# Altium PCB IT_Asset_Tracking_Rack_Controller-H743.PcbDoc (part 2 of 4) (continued)
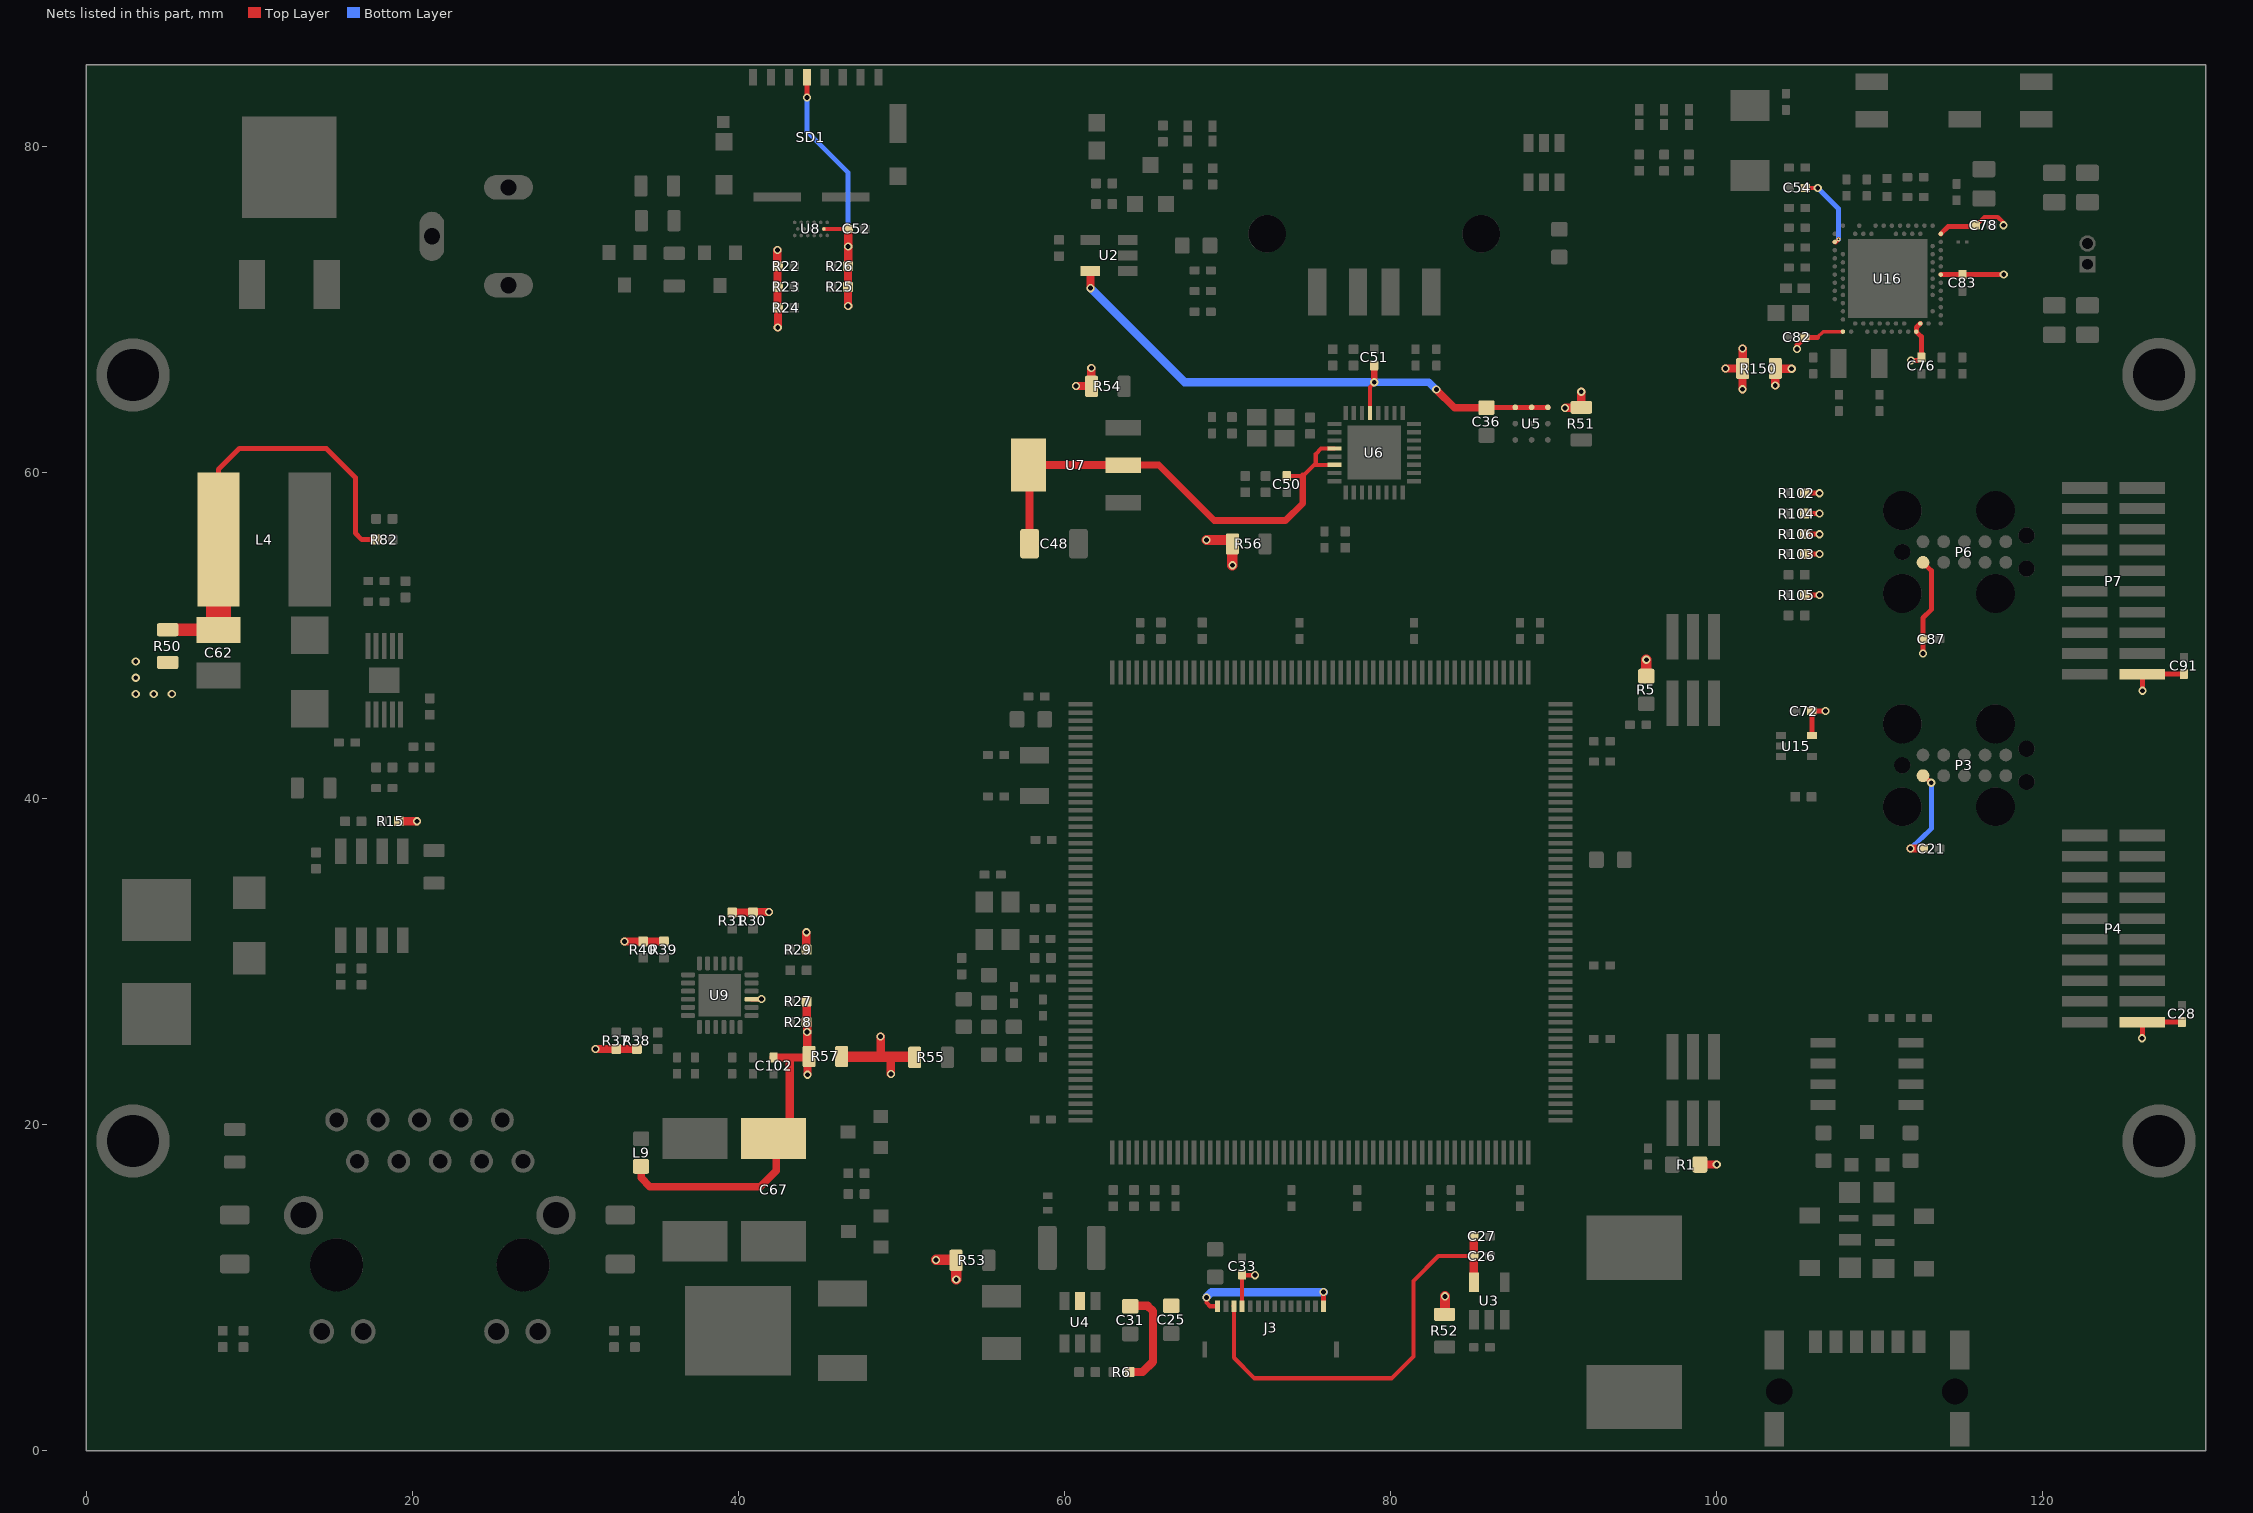
[diagram p4: the nets of this part, all layers, seen from the top]
## Part data (continued)
Q3: "N-Channel 60V 310mA (Ta) 280mW (Tj) Surface Mount SC-70-3 (SOT323)", Dielectric Grade=NA, Footprint/Package="SC-70, SOT-323", Manufacturer="ON Semiconductor", power=280mW, Supplier Part Number 1=2N7002WT1GOSCT-ND, voltage=60V, ComponentLink1Description=mouser, ComponentLink1URL=https://www.mouser.ch/ProductDetail/Murata-Electronics/GCM155C71A105KE38D?qs=sGAEpiMZZMsh%252b1woXyUXj0FEAttKcN54ouz5zO04smg%3d, Manufacturer PartNr=2N7002WT1G, Replaceable=no, Supplier 1=Digi-Key, Tolerance=NA
R1 R5: library part Res_DNP_0603, "Resistor: do not populate", Footprint/Package=0603, Manufacturer="do not populate", Manufacturer PartNr="do not populate", Replaceable=no
R2: library part Res_0R_0603, "0 Ohms Jumper 0.1W, 1/10W Chip Resistor 0603 (1608 Metric) Moisture Resistant Thick Film", Dielectric Grade=-, Footprint/Package="0603 (1608 metric)", Manufacturer=Yageo, Manufacturer PartNr=RC0603JR-070RL, power="0.1W, 1/10W", Supplier Part Number 1=311-0.0GRCT-ND, Replaceable=yes, Supplier 1=Digi-Key, Tolerance=-, voltage=-
R3 R4 R16 R20 R27 R28 R29 R30 R36 R42 R43 R84 R101 R102 R103 R104 R105 R106: library part Res_10K_0402, "SMD 10K ohm 1% 50V General Purpose", Footprint/Package=0402, Manufacturer=Yageo, Manufacturer PartNr=RC0402FR-1010KL, power=63mW, Supplier Part Number 1=603-RC0402FR-1010KL, Tolerance=1%, ComponentLink1Description=mouser, ComponentLink1URL=https://www.mouser.ch/ProductDetail/Yageo/RC0402FR-1010KL?qs=sGAEpiMZZMtlubZbdhIBIEgN9MQql2m6Sb2LnYlCICU%3d, Replaceable=yes, Supplier 1=Mouser, Supplier 2=Digi-Key
R6 R58: library part Res_1M_0402, "1 MOhms ±1% 0.1W, 1/10W Chip Resistor 0402 (1005 Metric) Anti-Sulfur Thin Film", Dielectric Grade=-, Footprint/Package="0402 (1005 metric)", Manufacturer="Vishay Beyschlag", Manufacturer PartNr=MCS04020C1004FE000, power="0.1W, 1/10W", Supplier Part Number 1=MCS0402-1.00M-CFCT-ND, Tolerance=±1%, Replaceable=yes, Supplier 1=Digi-Key
R7: library part Res_71K5_0402, "71.5 kOhms ±1% 0.1W, 1/10W Chip Resistor 0402 (1005 Metric) Automotive AEC-Q200, Moisture Resistant Thick Film", Case/Package="0402 (1005 metric)", Manufacturer="KOA Speer Elec.", Manufacturer PartNr=RK73H1ETTP7152F, power="0.01W,  1/10W", Supplier Part Number 1=2019-RK73H1ETTP7152FCT-ND, Tolerance=±1%, ComponentLink1Description=http://documents.rs-components.com/techlib://itc_doclist_GB.htm?stockno=7016664, ComponentLink1URL=http://documents.rs-components.com/techlib://itc_doclist_GB.htm?stockno=7016664, Replaceable=yes, Supplier 1=Digi-Key
R8: library part Res_3K3_0402, "3.3 kOhms ±0.1% 0.063W, 1/16W Chip Resistor 0402 (1005 Metric) Automotive AEC-Q200 Thin Film", Dielectric Grade=-, Footprint/Package="0402 (1005metric)", Manufacturer="Panasonic Electronic Components", Manufacturer PartNr=ERA-2AEB332X, power="0.063W, 1/16W", Supplier Part Number 1=P3.3KDCCT-ND, Tolerance=±0.1%, Replaceable=yes, Supplier 1=Digi-Key
R9: library part Res_620R_0402, "620Ohm, SMD 0402,  1/16W  0.5%", Footprint/Package="0402 (1005 metric)", Manufacturer=Susumu, Manufacturer PartNr=RR0510P-621-D, power=62.5mW, Supplier Part Number 1=754-RR0510P-621D, Tolerance=0.5%, ComponentLink1Description=mouser, ComponentLink1URL=https://www.mouser.ch/ProductDetail/Susumu/RR0510P-621-D?qs=sGAEpiMZZMu61qfTUdNhG%2fDhcyQpRg8MIBVoO7KVzPo%3d, Replaceable=yes, Supplier 1=Mouser, Supplier 2=Digi-Key, Supplier Part Number 2=RR05P620DDKR-ND
R10 R44 R45: library part Res_330R_0402, "330 Ohms ±0.1% 0.063W, 1/16W Chip Resistor 0402 (1005 Metric) Automotive AEC-Q200 Thin Film", Dielectric Grade=-, Footprint/Package="0402 (1005metric)", Manufacturer="Panasonic Electronic Components", Manufacturer PartNr=ERA-2AEB331X, power="0.063W, 1/16W", Supplier Part Number 1=P330DCCT-ND, Tolerance=±0.1%, Replaceable=yes, Supplier 1=Digi-Key
R11 R22 R23 R24 R25 R26: library part Res_47K_0402, "47 kOhms ±5% 0.063W, 1/16W Chip Resistor 0402 (1005 Metric) Automotive AEC-Q200, Moisture Resistant Thick Film", Footprint/Package="0402 (1005)", Manufacturer="TE Connectivity", Manufacturer PartNr=CRGCQ0402J47K, power=62.5mW, Supplier Part Number 1=A130058CT-ND, Tolerance=5%, ComponentLink1Description=mouser, ComponentLink1URL=https://www.mouser.ch/ProductDetail/Yageo/RC0402FR-07412KL?qs=sGAEpiMZZMu61qfTUdNhG6gKAQVNBKOozNOFQJr2tME%3d, Replaceable=yes, Suipplier 1=Digi-Key
R12: library part Res_22K_0402, "22 kOhms ±5%  0402 (1005 metrisch) Thick Film", Footprint/Package="0402 (1005 metric)", Manufacturer=Yageo, Manufacturer PartNr=RC0402JR-0722KL, power="0.063W, 1/16W", Supplier Part Number 1=311-22KJRCT-ND, Tolerance=5%, Replaceable=yes, Supplier 1=Digi-Key
R13 R32 R33 R34: library part Res_33R_0402, "33 Ohms ±0.1% 0.063W, 1/16W Chip Resistor 0402 (1005 Metric) Thin Film", Dielectric Grade=-, Footprint/Package="0402 (1005metric)", Manufacturer="TE Connectivity", Manufacturer PartNr=CPF0402B33RE1, power="0.063W, 1/16W", Supplier Part Number 1=A102801CT-ND, Tolerance=±0.1%, Replaceable=yes, Supplier 1=Digi-Key
R14: library part Res_820R_0402, "820 Ohms ±1% 0.1W, 1/10W 0402 Thick Film", Footprint/Package="0402 (1005 metric)", Manufacturer="Panasonic Electronic Components", Manufacturer PartNr=ERJ-2RKF8200X, power="0.1W, 1/10W", Supplier Part Number 1=P820LCT-ND, Tolerance=1%, Replaceable=yes, Supplier 1=Digi-Key
R15 R19 R59: library part Res_100K_0402, "100 kOhms ±0,1% 0,063W, 1/16W Chip-Widerstand 0402 (1005 metrisch) Dünnschicht", Footprint/Package="0402 (1005 metrisch)", Manufacturer=Yageo, Manufacturer PartNr=RT0402BRD07100KL, power="0,063W, 1/16W", Supplier Part Number 1=YAG1343CT-ND, Tolerance=±0.1%, Replaceable=yes, Supplier 1=Digi-Key
R17: library part Res_51R_0402, "51 Ohms ±5% 0.063W, 1/16W Chip Resistor 0402 (1005 Metric) , Thick Film", Footprint/Package="0402 (1005  metric)", Manufacturer=Yageo, Manufacturer PartNr=RC0402JR-0751RL, power=62.5mW, Supplier Part Number 1=1799298, Tolerance=5%, ComponentLink1Description=mouser, ComponentLink1URL=https://www.mouser.ch/ProductDetail/Yageo/RC0402JR-0751RL?qs=sGAEpiMZZMtG0KNrPCHnjTtiZEI2zSDg2UFCMmEjZXQ%3d, Replaceable=yes, Supplier 1=Farnell, Supplier 2=Mouser, Supplier 3=Digi-Key, Supplier Part Number 2=603-RC0402JR-0751RL, Supplier Part Number 3=311-51JRDKR-ND
R18: library part Res_4K7_0402, "4.7 kOhms ±5% 0.063W, 1/16W Chip Resistor 0402 (1005 Metric) Moisture Resistant Thick Film", Footprint/Package="0402 (1005)", Manufacturer=Yageo, Manufacturer PartNr=RC0402JR-074K7L, power="0.063W, 1/16W", Supplier Part Number 1=311-4.7KJRCT-ND, Tolerance=±5%, ComponentLink1Description=mouser, ComponentLink1URL=https://www.mouser.ch/ProductDetail/Yageo/RC0402FR-07412KL?qs=sGAEpiMZZMu61qfTUdNhG6gKAQVNBKOozNOFQJr2tME%3d, Replaceable=yes, Suipplier 1=Digi-Key
R21: library part Res_8K06_0402, "8.06 kOhms ±1% 0.063W, 1/16W Chip Resistor 0402 (1005 Metric) Moisture Resistant Thick Film", Footprint/Package="0402 (1005)", Manufacturer=Yageo, Manufacturer PartNr=311-8.06KLRCT-ND, power="0.063W, 1/16W", Supplier Part Number 1=RC0402FR-078K06L, Tolerance=±1%, ComponentLink1Description=mouser, ComponentLink1URL=https://www.mouser.ch/ProductDetail/Yageo/RC0402FR-07412KL?qs=sGAEpiMZZMu61qfTUdNhG6gKAQVNBKOozNOFQJr2tME%3d, Replaceable=yes, Suipplier 1=Digi-Key
R31: library part Res_1K5_0402, "1 kOhms ±0.5% 0.063W, 1/16W Chip Resistor 0402 (1005 Metric) Thin Film", Footprint/Package="0402 (1005 metric)", Manufacturer="TE Connectivity", Manufacturer PartNr=CRGCQ0402F1K5, power=1/16W, Supplier Part Number 1=A129629CT-ND, Tolerance=±1%, Replaceable=yes, Supplier 1=Digi-Key
R35 R47: library part Res_51R_0402_0.5%, "51 Ohms ±0.5% 0.063W, 1/16W Chip Resistor 0402 (1005 Metric) Thin Film", Footprint/Package="0402 (1005  metric)", Manufacturer=Susumu, Manufacturer PartNr=RR0510R-510-D, power=62.5mW, Supplier Part Number 1=RR05R51DCT-ND, Tolerance=±0.5%, ComponentLink1Description=mouser, ComponentLink1URL=https://www.mouser.ch/ProductDetail/Yageo/RC0402JR-0751RL?qs=sGAEpiMZZMtG0KNrPCHnjTtiZEI2zSDg2UFCMmEjZXQ%3d, Replaceable=yes, Supplier 1=Digi-Key
R37 R38 R39 R40: library part Res_49R9_0402, "49.9 Ohms ±0.1% 0.063W, 1/16W Chip Resistor 0402 (1005 Metric) Automotive AEC-Q200 Thin Film", Dielectric Grade=NA, Footprint/Package="0402 (1005 metric)", Manufacturer="Panasonic Electronic Components", Manufacturer PartNr=ERA-2AEB49R9X, power="0.063W, 1/16W", Supplier Part Number 1=P49.9DCCT-ND, Tolerance=±0.1%, Replaceable=yes, Supplier 1=Digi-Key, voltage=NA
R41: library part Res_12K1_0402, "12.1 kOhms ±1% 0.063W, 1/16W Chip Resistor 0402 (1005 Metric) Moisture Resistant Thick Film", Footprint/Package="0402 (1005 metric)", Manufacturer=Yageo, Manufacturer PartNr=RC0402FR-0712K1L, power=1/16W, Supplier Part Number 1=311-12.1KLRCT-ND, Tolerance=±1%, Replaceable=yes, Supplier 1=Digi-Key
R46 R85 R86: library part Res_0R_0805, "0 Ohms Jumper 0.125W, 1/8W Chip Resistor 0805 (2012 Metric) Automotive AEC-Q200 Thick Film", Footprint/Package="0805 (2012 metric)", Manufacturer="Panasonic Electronic Components", Manufacturer PartNr=ERJ-6GEY0R00V, power="0.125W, 1/8W", Supplier Part Number 1=P0.0ACT-ND, Tolerance=-, Replaceable=yes, Supplier 1=Digi-Key
R48: library part Res_0R1, "100 mOhms ±1% 5W Chip Resistor 4527 J-Lead Anti-Sulfur, Automotive AEC-Q200, Current Sense, Moisture Resistant", Footprint/Package="4527 (11570 metric)", Manufacturer="Vishay / Dale", Manufacturer PartNr=WSR5R1000FEA, power=5W, Supplier Part Number 1=WSRC-.1CT-ND, Tolerance=±1%, Replaceable=no, Supplier 1=Digi-Key
R49 R50 R51 R52 R53 R54 R55 R56 R57 R150: library part Res_DNP_0805, "Resistor: do not populate", Footprint/Package=0805, Manufacturer="do not populate", Manufacturer PartNr="do not populate", Replaceable=no
R60 R61 R62: library part Res_1K2_0402, "1.2 kOhms ±0.5% 0.063W, 1/16W Chip Resistor 0402 (1005 Metric) Thin Film", Dielectric Grade=-, Footprint/Package="0402 (1005 metric)", Manufacturer=Panasonic, Manufacturer PartNr=ERA-2AED122X, power="0.063W, 1/16W", Supplier Part Number 1=P1.2KDECT-ND, Tolerance=±0.5%, voltage=50V, Replaceable=yes, Supplier 1=Digi-Key
R74: library part Res_95K3_0402, "95.3 kOhms ±0.1% 0.063W, 1/16W Chip Resistor 0402 (1005 Metric) Automotive AEC-Q200 Thin Film", Footprint/Package="0402 (1005 metric)", Manufacturer=Panasonic, Manufacturer PartNr=ERA-2AEB9532X, power=63mW, Supplier Part Number 1=P95.3KDCCT-ND, Tolerance=0.1%, Replaceable=no, Supplier 1=Digi-Key, Supplier 2=Mouser, Supplier Part Number 2=667-ERA-2AEB9532X
R75: library part Res_357R_0402, "357 Ohms ±1% 0.063W, 1/16W Chip Resistor 0402 (1005 Metric) Thick Film", Footprint/Package="0402 (1005 metric)", Manufacturer=Bourns, Manufacturer PartNr=CR0402-FX-3570GLF, power=0.063W, Supplier Part Number 1=CR0402-FX-3570GLF-ND, Tolerance=±1%, ComponentLink1Description=http://www.bourns.com/docs/Product-Datasheets/CR0402.pdf, ComponentLink1URL=http://www.bourns.com/docs/Product-Datasheets/CR0402.pdf, ComponentLink2Description=http://www.bourns.com/pdfs/CR0402.pdf, ComponentLink2URL=http://www.bourns.com/pdfs/CR0402.pdf, ComponentLink3Description=http://www.mouser.com/ds/2/54/r0402-777514.pdf, ComponentLink3URL=http://www.mouser.com/ds/2/54/r0402-777514.pdf, Replaceable=yes, Supplier 1=Digi-Key, Supplier 2=Mouser, Supplier Part Number 2=652-CR0402-FX3570GLF
R76: library part Res_24K9_0402, "24.9 kOhms ±1% 0.1W, 1/10W Chip Resistor 0402 (1005 Metric) Thick Film", Footprint/Package="0402 (1005 metric)", Manufacturer=Panasonic, Manufacturer PartNr=ERJ-2RKF2492X, power=0.1W, Supplier Part Number 1=P24.9KLCT-ND, Tolerance=±1%, ComponentLink1Description=https://industrial.panasonic.com/cdbs/www-data/pdf/RDA0000/DMA0000COL11.pdf, ComponentLink1URL=https://industrial.panasonic.com/cdbs/www-data/pdf/RDA0000/DMA0000COL11.pdf, ComponentLink2Description=http://www.farnell.com/datasheets/426256.pdf, ComponentLink2URL=http://www.farnell.com/datasheets/426256.pdf, Replaceable=yes, Supplier 1=Digi-Key, Supplier 2=Mouser, Supplier Part Number 2=667-ERJ-2RKF2492X
R78: library part Res_105K_0402, "105 kOhms ±1% 0.1W, 1/10W Chip Resistor 0402 (1005 Metric) Automotive AEC-Q200 Thick Film", Footprint/Package="0402 (1005 metric)", Manufacturer=Panasonic, Manufacturer PartNr=ERJ-2RKF1053X, power="0.1W, 1/10W", Supplier Part Number 1=P105KLCT-ND, Tolerance=±1%, ComponentLink1Description=http://www.alliedelec.com/m/d/623f45ff1957d936ff56d46fd1c28cac.pdf, ComponentLink1URL=http://www.alliedelec.com/m/d/623f45ff1957d936ff56d46fd1c28cac.pdf, ComponentLink2Description=http://industrial.panasonic.com/www-data/pdf/AOA0000/AOA0000CE2.pdf, ComponentLink2URL=http://industrial.panasonic.com/www-data/pdf/AOA0000/AOA0000CE2.pdf, ComponentLink3Description=http://www.farnell.com/datasheets/1694929.pdf, ComponentLink3URL=http://www.farnell.com/datasheets/1694929.pdf, ComponentLink4Description=http://www.farnell.com/datasheets/1911175.pdf, ComponentLink4URL=http://www.farnell.com/datasheets/1911175.pdf, ComponentLink5Description=http://www.farnell.com/datasheets/1678782.pdf, ComponentLink5URL=http://www.farnell.com/datasheets/1678782.pdf, Replaceable=yes, Supplier 1=Digi-Key
R80: library part Res_7K15_0402, "7.15 kOhms ±0.1% 0.063W, 1/16W Chip Resistor 0402 (1005 Metric) Anti-Sulfur, Automotive AEC-Q200 Thin Film", Case/Package="0402 (1005 metric)", Manufacturer="TE Connectivity", Manufacturer PartNr=RQ73C1E7K15BTD, power="0.063W, 1/16W", Supplier Part Number 1=A139461CT-ND, Tolerance=±0.1%, ComponentLink1Description=http://documents.rs-components.com/techlib://itc_doclist_GB.htm?stockno=7016664, ComponentLink1URL=http://documents.rs-components.com/techlib://itc_doclist_GB.htm?stockno=7016664, Replaceable=yes, Supplier 1=Digi-Key
R81: library part Res_249K_0402_50V, "249 kOhms ±1% 0.063W, 1/16W Chip Resistor 0402 (1005 Metric) Automotive AEC-Q200 Thick Film", Case/Package="0402 (1005 metric)", Manufacturer="Vishay Dale", Manufacturer PartNr=CRCW0402249KFKED, power="0.063W, 1/16W", Supplier Part Number 1=541-249KLCT-ND, Tolerance=±1%, voltage=50V, ComponentLink1Description=http://www.vishay.com/docs/20008/dcrcw.pdf, ComponentLink1URL=http://www.vishay.com/docs/20008/dcrcw.pdf, Replaceable=yes, Supplier 1=Digi-Key
R82: library part "Res_31K6_ 0402", "31.6 kOhms ±0.1% 0.063W, 1/16W Chip Resistor 0402 (1005 Metric) Automotive AEC-Q200 Thin Film", Dielectric Grade=NA, Footprint/Package="0402 (1005 metric)", Manufacturer=Panasonic, Manufacturer PartNr=ERA-2AEB3162X, power="0.063W, 1/16W", Supplier Part Number 1=P31.6KDCCT-ND, Tolerance=0.1%, Replaceable=yes, Supplier 1=Digi-Key, voltage=NA
R83: library part Res_33K2_0402, "33.2 kOhms ±0.1% 0.063W, 1/16W Chip Resistor 0402 (1005 Metric) Thin Film", Dielectric Grade=NA, Footprint/Package="0402 (1005metric)", Manufacturer="TE Connectivity", Manufacturer PartNr=CPF0402B33K2E1, power="0.063W, 1/16W", Supplier Part Number 1=A102800CT-ND, Tolerance=0.1%, ComponentLink1Description=http://www.mouser.com/ds/2/418/NG_CD_1879215_BA-661209.pdf, ComponentLink1URL=http://www.mouser.com/ds/2/418/NG_CD_1879215_BA-661209.pdf, ComponentLink2Description=http://www.farnell.com/datasheets/1786775.pdf, ComponentLink2URL=http://www.farnell.com/datasheets/1786775.pdf, ComponentLink3Description=http://uk.rs-online.com/webdocs/0de4/0900766b80de4f6c.pdf, ComponentLink3URL=http://uk.rs-online.com/webdocs/0de4/0900766b80de4f6c.pdf, Replaceable=yes, Supplier 1=Digi-Key
R87: library part Res_1K_0402, "1 kOhms ±0.5% 0.063W, 1/16W Chip Resistor 0402 (1005 Metric) Thin Film", Footprint/Package="0402 (1005 metric)", Manufacturer=Susumu, Manufacturer PartNr=RR0510P-102-D, power=1/16W, Supplier Part Number 1=RR05P1.0KDCT-ND, Tolerance=±0.5%, Replaceable=yes, Supplier 1=Digi-Key
R95 R97: library part Res_10R_0603, "SMD 1/4watt 10ohms 1%", Footprint/Package="0603 (1608 metric)", Manufacturer=Vishay, Manufacturer PartNr=CRCW060310R0FKEAHP, power=250mW, Supplier Part Number 1=541-10.0SCT-ND, Tolerance=1%, Replaceable=yes, Supplier 1=Digi-Key, Supplier 2=Mouser, Supplier Part Number 2=CRCW060310R0FKEAHP
R98: library part Res_1M_0805, "PANASONIC ELECTRONIC COMPONENTS   ERA6AEB105V   Surface Mount Chip Resistor, Thin Film, AEC-Q200 ERA Series, 1 Mohm, 125 mW,  0.1%, 100 V", Footprint/Package="0805 (2012 metric)", Manufacturer=Panasonic, Manufacturer PartNr=ERA-6AEB105V, power=125mW, Supplier Part Number 1=P1MDATR-ND, Tolerance=1%, voltage=100V, ComponentLink1Description=http://uk.rs-online.com/webdocs/0bee/0900766b80beefcc.pdf, ComponentLink1URL=http://uk.rs-online.com/webdocs/0bee/0900766b80beefcc.pdf, ComponentLink2Description=http://www.farnell.com/datasheets/485442.pdf, ComponentLink2URL=http://www.farnell.com/datasheets/485442.pdf, ComponentLink3Description=https://industrial.panasonic.com/cdbs/www-data/pdf/RDM0000/AOA0000C307.pdf, ComponentLink3URL=https://industrial.panasonic.com/cdbs/www-data/pdf/RDM0000/AOA0000C307.pdf, ComponentLink4Description=http://www.farnell.com/datasheets/2052875.pdf, ComponentLink4URL=http://www.farnell.com/datasheets/2052875.pdf, ComponentLink5Description=http://industrial.panasonic.com/www-data/pdf/AOA0000/AOA0000CE26.pdf, ComponentLink5URL=http://industrial.panasonic.com/www-data/pdf/AOA0000/AOA0000CE26.pdf, ComponentLink6Description=http://www.alliedelec.com/m/d/b6b0537e86f421aa7f5975bb1d8f429a.pdf, ComponentLink6URL=http://www.alliedelec.com/m/d/b6b0537e86f421aa7f5975bb1d8f429a.pdf, ComponentLink7Description=http://www.produktinfo.conrad.com/datenblaetter/450000-474999/458432-da-01-en-WIDERSTAND_0805_ERA.pdf, ComponentLink7URL=http://www.produktinfo.conrad.com/datenblaetter/450000-474999/458432-da-01-en-WIDERSTAND_0805_ERA.pdf, Supplier 1=Digi-Key
R99: library part Res_100K_0805, "100 kOhms ±0.1% 0.125W, 1/8W Chip Resistor 0805 (2012 Metric) Automotive AEC-Q200 Thin Film", Footprint/Package="0805 (2012 metric)", Manufacturer="Panasonic Electronic Components", Manufacturer PartNr=ERA-6AEB104V, power="0.125W, 1/8W", Supplier Part Number 1=P100KDACT-ND, Tolerance=±0.1%, Replaceable=yes, Supplier 1=Digi-Key
R100 R107: library part Res_0R_0402, "0 Ohms Resistor 0402", Footprint/Package="0402 (1005 metric)", Manufacturer="Panasonic Electronic Components", Manufacturer PartNr=ERJ-2GE0R00X, power=100mW, Supplier Part Number 1=P0.0JCT-ND, Tolerance=-, Replaceable=yes, Supplier 1=Digi-Key
SD1: library part CONN_MICRO_SD, "Memory Card Connectors 1.45H MICRO SD HEADER WITH D/C PIN, Molex", Dielectric Grade=-, Manufacturer="Molex, LLC", Supplier Part Number 1=WM14405CT-ND, Manufacturer PartNr=1051620001, power=-, Replaceable=no, Supplier 1=Digi-Key, voltage=-
SYMBOL_But SYMBOL_Top: library part SYMBOL_R&M, Footprint/Package=2.54mm, Replaceable=no
T1: library part BJT_NPN_20V, "Bipolar (BJT) Transistor NPN 20V 500mA 150MHz 200mW Surface Mount Mini3-G3-B-B", Footprint/Package="TO-236-3, SC-59, SOT-23-3", Manufacturer="Panasonic Electronic Components", Supplier Part Number 1=DSC2501R0LCT-ND, voltage=20V, Manufacturer PartNr=DSC2501R0L, Replaceable=no, Supplier 1=Digi-Key
T3: library part CONN_RJ45_PoE, "Magjack Connector WE-RJ45 (PoE) with LAN Transformer, 10/100 Base-T1 Port RJ45, 10/100 Base-T, AutoMDIX, two LEDs", Dielectric Grade=NA, Manufacturer PartNr=7499211121A, power="PoE (up to 350 mA)", Supplier Part Number 1=732-1654-ND, ComponentLink1Description=Manufacturer, ComponentLink1URL=http://www.we-online.de, ComponentLink2Description=Datasheet, ComponentLink2URL=http://katalog.we-online.de/pbs/datasheet/7499211121A.pdf, Manaufacturer="Wurth Elektronik", Replaceable=no, Supplier 1=Digi-Key, Tolerance=NA, voltage=NA
TVS1: library part Bourns_TBU-PL060-200-WH, "TBU-PL Series dual 50 ohm Surge Suppressors, bi-directional", Dielectric Grade=NA, Footprint/Package=DFN, Manufacturer=Bourns, Manufacturer PartNr=TBU-PL060-200-WH, Supplier Part Number 1=652-TBU-PL060-200-WH, voltage=350V, power=NA, Replaceable=no, Supplier 1=Mouser
U1: library part STM32H7x3BIT, "ARM Cortex-M7 STM32H7 Mikrocontroller IC 32-Bit 480MHz 2MB (2M x 8) FLASH 208-LQFP (28x28)", Dielectric Grade=-, Footprint/Package="208-LQFP (28x28)", Manufacturer=STMicroelectronics, Supplier Part Number 1=497-18562-ND, voltage=1,62V-3.6V, Manufacturer PartNr=STM32H743BIT6, power=-, Replaceable=no, Supplier 1=Digi-Key, Tolerance=-, Type=Type
U2: "Power Switch/Driver 1:1 N-Kanal 500mA SOT-23-5,  STMicroelectronics", Dielectric Grade=-, Footprint/Package="SC-74A, SOT-753", Manufacturer=STMicroelectronics, Supplier Part Number 1=497-6934-1-ND, voltage="2,7V ~ 5,5V", Manufacturer PartNr=STMPS2151STR, Replaceable=no, Suppplier 1=Digi-Key
U3: "Linear Voltage Regulator IC 1 Output 200mA fixed output at 2.2V, SOT-23-5", Dielectric Grade=-, Footprint/Package=SOT-23-5, Manufacturer="Texas Instruments", Supplier Part Number 1=296-TPS7A0522PDBVTCT-ND, voltage=2,2V, ComponentLink1Description=mouser, ComponentLink1URL=https://www.mouser.ch/ProductDetail/Texas-Instruments/TPS54260DGQR?qs=sGAEpiMZZMvAX9OfPh%252b2NVVXPcZYNNxJ6f9D0IR5ghU%3d, Manufacturer PartNr=TPS7A0522PDBVT, power=-, Replaceable=no, Supplier 1=Digi-Key, Tolerance=-
U4: "Boost Switching Regulator IC Positive Adjustable 3.3V 1 Output SOT-23-6", Dielectric Grade=-, Footprint/Package=SOT-23-6, Manufacturer="Texas Instruments", Supplier Part Number 1=296-46927-1-ND, voltage=3.3V-28V, ComponentLink1Description=mouser, ComponentLink1URL=https://www.mouser.ch/ProductDetail/Texas-Instruments/TPS54260DGQR?qs=sGAEpiMZZMvAX9OfPh%252b2NVVXPcZYNNxJ6f9D0IR5ghU%3d, Manufacturer PartNr=TLV61046ADBVT, power=-, Replaceable=no, Supplier 1=Digi-Key, Tolerance=-
U5: library part TPS81256, "Boost Switching Regulator IC Positive Fixed 5V 1 Output, Inputrange 2.5 to 5.5V, 9-SMD BGA Module, Texas Instruments", Dielectric Grade=-, Footprint/Package="9-SMD Module, see datasheet", Manufacturer="Texas Instruments", Supplier Part Number 1=296-30558-1-ND, voltage=5V, ComponentLink1Description=mouser, ComponentLink1URL=https://www.mouser.ch/ProductDetail/Texas-Instruments/TPS54260DGQR?qs=sGAEpiMZZMvAX9OfPh%252b2NVVXPcZYNNxJ6f9D0IR5ghU%3d, Manufacturer PartNr=TPS81256SIPR, power=-, Replaceable=no, Supplier 1=Digi-Key
U6: library part USB3320C-EZK, "USB3320C,  Hi-Speed USB Host, Device or OTG PHY with ULPI Low Pin Interface,  32-QFN (5x5)", Dielectric Grade=-, Manufacturer=Microchip, Supplier Part Number 1=USB3320C-EZK-CT-ND, voltage="1.8V ~ 3.3V", Manufacturer PartNr=USB3320C-EZK-TR, power=-, Replaceable=no, Supplier 1=Digi-Key
U7: "Linear Voltage Regulator IC 1 Output 800mA fixed output at 1.8V,SOT-223", Dielectric Grade=-, Footprint/Package=SOT-223, Manufacturer=STMicroelectronics, Supplier Part Number 1=497-7308-1-ND, voltage=1,8V, ComponentLink1Description=mouser, ComponentLink1URL=https://www.mouser.ch/ProductDetail/Texas-Instruments/TPS54260DGQR?qs=sGAEpiMZZMvAX9OfPh%252b2NVVXPcZYNNxJ6f9D0IR5ghU%3d, Manufacturer PartNr=LD1117S18TR, power=-, Replaceable=no, Supplier 1=Digi-Key, Tolerance=-
U8: library part EMI_Filter, "RLC EMI Filter 3rd Order Low Pass 6 Channel L = 1nH, C = 2.5pF 17-WFBGA, FCBGA", Dielectric Grade=-, Footprint/Package=17-WFBGA, Manufacturer=STMicroelectronics, Manufacturer PartNr=EMIF06-HSD03F3, Supplier Part Number 1=497-15334-1-ND, power=-, Replaceable=no, Supplier 1=Digi-Key, Tolerance=-
U9: "10/100M RMII Ethernet transceiver  24-SQFN (4x4)", Dielectric Grade=-, Footprint/Package="24-VFQFN Exposed Pad", Manufacturer=MICROCHIP, Supplier Part Number 1=LAN8742A-CZ-CT-ND, voltage="1.6V ~ 3.6V", ComponentLink1Description=Datasheet, ComponentLink1URL=http://tunmcdsvn.tun.st.com/Component_Datasheet_Library/Trunk/IC/MICROCHIP_LAN8742A_RMII_PHY, Manufacturer PartNr=LAN8742A-CZ-TR, Replaceable=no, Supplier 1=Digi-Key, Tolerance=-
U13: "Switching Voltage Regulators 3.5-60V 2.5A 2.5MHz Step Down Converter", Dielectric Grade=-, Footprint/Package=S-PDSO-G10, Manufacturer="Texas Instruments", ComponentLink1Description=mouser, ComponentLink1URL=https://www.mouser.ch/ProductDetail/Texas-Instruments/TPS54260DGQR?qs=sGAEpiMZZMvAX9OfPh%252b2NVVXPcZYNNxJ6f9D0IR5ghU%3d, Manufacturer PartNr=TPS54260DGQR, Replaceable=no, voltage=-
U14: library part SN65HVD11DR, "RS-485 Interface IC 3.3V Differential Transceivers", Footprint/Package=SOIC-8, Manufacturer="Texas Instruments", Supplier Part Number 1=296-31717-6-ND, ComponentLink1Description=mouser, ComponentLink1URL=https://www.mouser.ch/ProductDetail/Texas-Instruments/SN65HVD11DR?qs=sGAEpiMZZMtk5jbcouIbS2cUqarwnJ3LOIItPoxnG4E%3d, Manufacturer PartNr=SN65HVD11DR, Replaceable=no, Supplier 1=Digi-Key, Supplier 2=Farnell, Supplier 3=Mouser, Supplier Part Number 2=2436743, Supplier Part Number 3=595-SN65HVD11DR
U15: library part 74AHC1G125SE-7, "Buffer, Non-Inverting 1 Element 1 Bit per Element 3-State Output SOT-353", Footprint/Package=SOT353, Manufacturer="Diodes Incorporated", Supplier Part Number 1=SAM1104-03-ND, ComponentLink1Description=mouser, ComponentLink1URL=https://www.mouser.ch/ProductDetail/Samtec/BBL-103-G-E?qs=sGAEpiMZZMs%252bGHln7q6pm5ZHNJhTjtr3eyJKd0ZImQM%3d, Manufacturer PartNr=74AHC1G125SE-7, Replaceable=no, Supplier 1=Digi-Key, Supplier 2=Mouser, Supplier 3=Farnell, Supplier Part Number 2=200-SL103G12, Supplier Part Number 3=2019491
U16: "Multi-protocol Bluetooth Low Energy, IEEE 802.15.4, ANT and 2.4GHz proprietary system-on-chip", Dielectric Grade=-, Footprint/Package="73-AQFN (7x7mm)", Manufacturer="Nordic Semiconductor", Supplier  Part Number 1=1490-1071-1-ND, voltage="1.7V ~ 5.5V", Manufacturer PartNr=NRF52840-QIAA-R, power=-, Replaceable=no, Supplier 1=Digi-Key, Tolerance=-
X1 X5: library part "CRYSTAL_2Pin_ NX3215SA-32.768K-STD-MUA-9", "32.768kHz ±20ppm Crystal 9pF 70 kOhms 2-SMD, No Lead", Dielectric Grade=-, Footprint/Package="2-SMD, specific see datasheet", Manufacturer="NDK America", Supplier Part Number 1=644-1155-1-ND, Tolerance=±20ppm, Manufacturer PartNr=NX3215SA-32.768K-STD-MUA-9, power=-, Replaceable=no, Supplier 1=Digi-Key, voltage=-
X2: library part CRYSTAL_4Pad_NX2520SD-24MHZ, "24MHz ±15ppm Crystal 12pF 50 Ohms 4-SMD, No Lead", Dielectric Grade=-, Footprint/Package="4-SMD, No Lead", Load Capacitance="12 pF", Manufacturer="NDK America, Inc.", Supplier Part Number 1=644-1214-1-ND, ComponentLink1Description=digikey, ComponentLink1URL=https://www.digikey.com/product-detail/en/abracon-llc/ABM3-12.000MHZ-B2-T/535-9100-2-ND/675295, Manufacturer PartNr=NX2520SD-24MHZ-EXS00A-CS06352, Replaceable=no, Supplier 1=Digi-Key, voltage=-
X4: library part CRYSTAL_4Pad_ECS-250-10-33B-CKM-TR, "25MHz ±10ppm Crystal 10pF 40 Ohms 4-SMD, No Lead", Dielectric Grade=-, Footprint/Package="4-SMD, No Lead", Load Capacitance="10 pF", Manufacturer="ESC Inc.", Manufacturer PartNr=ECS-250-10-33B-CKM-TR, Supplier Part Number 1=XC2479DKR-ND, ComponentLink1Description=digikey, ComponentLink1URL=https://www.digikey.com/product-detail/en/abracon-llc/ABM3-12.000MHZ-B2-T/535-9100-2-ND/675295, Replaceable=no, Supplier 1=Digi-Key, voltage=-
X6: library part CRYSTAL_2Pin_32.000MHZ-D2Y-T, "Crystal  32MHz ±20ppm Crystal 18pF 25 Ohms 2-SMD, No Lead", Dielectric Grade=-, Footprint/Package="2-SMD, specific see datasheet", Manufacturer=Abracon, Supplier Part Number 1=535-10648-6-ND, Tolerance=±20ppm, Manufacturer PartNr=ABM3-32.000MHZ-D2Y-T, Price=None, Replaceable=no, Supplier 1=Digi-Key, voltage=-

## Free pads (board coordinates)
  round 4.5 hole 3.2: 4(2.875,19) 5(2.875,65.975) 6(127.125,19) 7(127.125,66)

## Via types
v1: diameter 0.5, hole 0.3, Top Layer to Bottom Layer, tented both sides, 626 vias
v2: diameter 0.61, hole 0.305, Top Layer to Bottom Layer, tented both sides, 16 vias
v3: diameter 0.25, hole 0.1, Top Layer to Bottom Layer, tented both sides, 16 vias
v4: diameter 0.6, hole 0.3, Top Layer to Bottom Layer, tented both sides, 9 vias
v5: diameter 0.3, hole 0.2, Top Layer to Bottom Layer, tented bottom, 5 vias
v6: diameter 0.5, hole 0.3, Top Layer to Bottom Layer, 2 vias

## Nets (pads, with @x,y where several pads share a name; then routed paths per layer and width w, separated by ;. In a path a pad name is that pad's centre, name@x,y a point inside that pad or via, vN(x,y) a via of type N, cw(c..) or ccw(c..) an arc to the next point about the centre after c; other vN are vias at no path point)
1V8: C48.1 C50.2 U6.28 U6.30 U7.2 U7.4 | length 30.3
  Top Layer w0.254: C50.2@73.635,59.784 74.582,59.784 74.582,59.815 ; 74.62,59.787 75.298,60.464 75.413,60.464 ; U6.30@76.547,60.464 76.539,60.456 75.421,60.456 75.413,60.464 ; U6.28@76.559,61.464 76.555,61.468 75.741,61.468 75.413,61.139 75.413,60.464
  Top Layer w0.406: U7.2@63.606,60.452 65.786,60.452 69.19,57.048 73.558,57.048 74.62,58.11 74.62,59.777
  Top Layer w0.508: C48.1@57.86,55.626 57.86,60.398 U7.4@57.806,60.452 U7.2@63.606,60.452
2V2OUT: C26.2 C27.2 J3.12 U3.5 | length 27
  Top Layer w0.254: J3.12@70.376,8.884 J3.12@70.394,8.866 70.394,5.704 71.653,4.445 80.061,4.445 81.407,5.791 81.407,10.422 82.923,11.938 C26.2@85.098,11.938
  Top Layer w0.508: C27.2@85.098,13.157 C26.2@85.098,11.938 85.098,10.353 U3.5@85.106,10.345
3.3_V: C67.1 C102.2 L9.2 R27.1 R28.1 R29.1 R30.1 R31.1 R37.1 R38.1 R39.1 R40.1 R57.2 U9.9 | length 32.7
  Top Layer w0.254: U9.9@40.812,27.69 40.814,27.688 41.404,27.688 v1(41.427,27.711) ; C67.1@42.313,19.003 C67.1@42.164,19.152 C67.1@43.155,20.143 ; R29.1@44.188,30.734 R29.1@44.226,30.696
  Top Layer w0.457: L9.2@34.036,17.438 34.036,16.739 34.569,16.205 41.351,16.205 42.313,17.167 C67.1@42.313,19.003
  Top Layer w0.508: v1(31.242,24.646) R37.1@32.512,24.646 R38.1@33.782,24.646 ; v1(33.02,31.234) R40.1@34.163,31.234 R39.1@35.433,31.234 ; R31.1@39.624,33.012 R30.1@40.894,33.012 40.927,33.045 v1(41.885,33.045) ; C102.2@42.164,24.122 43.155,24.122 ; C67.1@43.155,20.143 43.155,24.122 ; v1(44.171,31.801) 44.171,30.751 R29.1@44.188,30.734 ; R28.1@44.188,26.289 44.221,26.256 v1(44.221,25.679) 44.221,24.298 R57.2@44.298,24.222 ; R27.1@44.188,27.559 44.188,26.297 R28.1@44.196,26.289 ; v1@44.247,23.089 44.247,24.089 R57.2@44.28,24.122 ; R57.2@44.339,24.181 R57.2@44.298,24.222 ; 43.155,24.122 R57.2@44.28,24.122 ; R57.2@44.28,24.122 44.323,24.165 44.298,24.19 R57.2@44.298,24.222
  other v1: 44.247,23.063
3.3V: C54.2 C76.2 C78.2 C82.2 C83.2 R150.2 U16.A22 U16.AD14 U16.AD23 U16.B1 U16.W1 U16.Y2 | length 21.7
  Top Layer w0.203: 106.172,68.275 106.529,68.632 U16.B1@107.74,68.632 ; U16.AD14@113.74,72.132 U16.AD14@113.74,72.132 ; C83.2@115.06,72.13 C83.2@115.062,72.128
  Top Layer w0.254: C54.2@105.427,77.445 v1(106.197,77.445) ; U16.A22@107.24,74.132 107.246,74.132 107.275,74.103 v3(107.467,74.295) ; C78.2@115.857,75.159 115.907,75.159 116.411,75.663 117.233,75.663 117.577,75.319 v1(117.577,75.159)
  Top Layer w0.305: v1(104.927,67.564) 104.927,67.801 C82.2@105.402,68.275 106.172,68.275 ; v1(111.912,66.873) 112.372,66.873 C76.2@112.547,67.048 112.547,68.325 U16.W1@112.24,68.632 112.24,68.882 U16.Y2@112.497,69.139 ; U16.AD23@113.74,74.632 114.19,75.082 115.781,75.082 C78.2@115.857,75.159 ; U16.AD14@113.74,72.132 C83.2@115.06,72.13 ; C83.2@115.062,72.128 v1(117.602,72.128)
  Top Layer w0.508: v1(103.591,65.329) R150.2@103.591,66.37 103.607,66.354 v1(104.597,66.354)
  Bottom Layer w0.305: v1(106.197,77.445) 107.467,76.175 v3(107.467,74.295)
3V3: C21.2 C28.2 C33.2 C52.2 C72.2 C87.2 C91.2 J3.11 P3.1 P4.1 P6.1 P7.1 R1.1 R5.1 R15.1 R22.1 R23.1 R24.1 R25.1 R26.1 R50.1 R51.1 R52.1 R53.1 R54.1 R55.1 R56.1 R57.1 R102.1 R103.1 R104.1 R105.1 R106.1 R150.1 SD1.4 U8.VCC U15.5 | length 75.2
  Top Layer w0.254: U8.VCC@45.25,74.93 46.732,74.93 C52.2@46.736,74.926 ; J3.11@70.894,8.866 C33.2@70.894,10.803 70.928,10.77 v1(71.679,10.77)
  Top Layer w0.305: v1(44.2,82.982) SD1.4@44.2,84.226 ; R105.1@105.41,52.476 v1(106.299,52.476) ; R103.1@105.41,54.991 v1(106.299,54.991) ; R106.1@105.41,56.21 v1(106.299,56.21) ; R104.1@105.41,57.48 v1(106.299,57.48) ; R102.1@105.435,58.725 v1(106.299,58.725) ; U15.5@105.842,43.87 105.838,43.874 105.838,45.36 C72.2@105.834,45.364 v1(106.68,45.364) ; P3.1@112.649,41.402 112.703,41.402 113.146,40.959 v1(113.157,40.97) ; P6.1@112.649,54.483 113.157,53.975 113.157,51.587 112.649,51.079 112.649,49.864 112.657,49.856 C87.2@112.657,49.784 v1(112.657,48.895) ; v1(126.086,25.298) 126.098,25.311 P4.1@126.098,26.289 128.516,26.289 C28.2@128.524,26.297 ; v1(126.102,46.609) 126.098,46.613 P7.1@126.098,47.625 126.102,47.629 128.647,47.629 C91.2@128.651,47.633
  Top Layer w0.508: R15.1@19.169,38.608 v1(20.295,38.608) ; v1(42.393,73.635) 42.393,72.677 R22.1@42.426,72.644 ; R24.1@42.401,70.104 R22.1@42.401,72.644 ; v1(42.418,68.885) 42.426,68.893 R24.1@42.426,70.104 ; v1(46.736,70.206) 46.728,70.214 R25.1@46.728,71.374 R26.1@46.728,72.644 46.736,72.652 v1(46.736,73.863) C52.2@46.736,74.926 ; 48.489,24.155 48.727,24.393 v1(48.727,25.408) ; v1(49.352,23.114) 49.352,24.13 49.378,24.155 ; v1(60.706,65.303) R54.1@61.636,65.303 ; R54.1@61.646,65.294 v1(61.646,66.396) ; v1(90.703,63.957) 91.659,63.957 R51.1@91.671,63.969 ; R51.1@91.694,63.992 v1(91.694,64.948) ; R1.1@98.97,17.551 v1(100,17.551) ; v1(100.533,66.37) R150.1@101.591,66.37 ; v1(101.575,65.1) 101.575,66.354 R150.1@101.591,66.37 ; v1(101.591,67.598) R150.1@101.591,66.37 ; v1(111.887,36.932) C21.2@112.657,36.932 C21.2@112.674,36.932
  Top Layer w0.635: R50.1@4.994,48.362 R50.1@5.004,48.352 ; R57.1@46.339,24.181 46.364,24.155 48.489,24.155 49.378,24.155 50.8,24.155 R55.1@50.825,24.181 ; v1(52.121,11.709) 53.331,11.709 R53.1@53.356,11.684 53.365,11.675 v1(53.365,10.516) ; R54.1@61.636,65.303 61.646,65.294 R54.1@61.662,65.278 ; v1(68.707,55.855) 70.061,55.855 R56.1@70.298,55.618 v1(70.298,54.305) ; R52.1@83.312,8.366 83.337,8.391 v1(83.337,9.474) ; R51.1@91.671,63.969 R51.1@91.694,63.992 ; R5.1@95.682,47.51 v1(95.682,48.514)
  Bottom Layer w0.305: v1(44.2,82.982) 44.2,80.92 46.736,78.384 v1(46.736,73.863) ; v1(111.887,36.932) 113.157,38.151 v1(113.157,40.97)
  other v1: 3.048,46.406 4.153,46.406 5.258,46.406 3.048,47.409 3.048,48.412
3V3_OUT: C62.1 L4.2 R50.2 R82.1 | length 27.5
  Top Layer w0.254: C62.1@8.116,50.352 C62.1@8.122,50.346
  Top Layer w0.305: L4.2@8.122,55.88 8.122,60.192 9.398,61.468 14.732,61.468 16.51,59.69 16.51,56.283 16.913,55.88 R82.1@17.788,55.88
  Top Layer w0.762: R50.2@5.004,50.352 C62.1@8.116,50.352
  Top Layer w1.524: C62.1@8.122,50.346 L4.2@8.122,55.88
5VOUT: C36.2 C51.2 U2.5 U5.A3 U5.B3 U5.C3 U6.21 | length 35.3
  Top Layer w0.254: U6.21@78.744,63.649 78.744,64.227 78.742,64.229 78.742,64.647 78.744,64.649 78.744,65.231 v1@78.997,65.484 ; v1@78.994,65.535 v1(78.997,65.532) ; C36.2@85.733,63.961 C36.2@85.852,63.842
  Top Layer w0.305: v1@78.997,65.484 v1(78.997,65.532) ; C36.2@85.852,63.842 86.002,63.992 U5.A3@87.647,63.992 U5.B3@88.647,63.992 U5.C3@89.647,63.992
  Top Layer w0.406: v1@78.994,65.535 C51.2@78.994,66.556
  Top Layer w0.457: v1(82.804,65.075) 83.918,63.961 84.506,63.961 C36.2@85.733,63.961
  Top Layer w0.508: U2.5@61.588,72.355 61.595,72.348 v1(61.595,71.298)
  Bottom Layer w0.457: v1(78.997,65.532) 82.335,65.532 82.792,65.075 v1(82.804,65.075)
  Bottom Layer w0.508: v1(61.595,71.298) 67.361,65.532 v1(78.997,65.532)
12VOUT: C25.2 C31.2 J3.1 J3.14 R6.1 U4.5 | length 15.7
  Top Layer w0.254: v1(68.707,9.398) 68.707,9.087 68.928,8.866 J3.14@69.394,8.866 69.394,8.896 J3.14@69.371,8.919
  Top Layer w0.305: J3.1@75.894,8.866 75.894,9.727 v1(75.895,9.728)
  Top Layer w0.508: R6.1@64,4.826 64.795,4.826 65.43,5.461 65.43,8.56 65.1,8.89 64.059,8.89 C31.2@64.033,8.865
  Bottom Layer w0.508: v1(68.707,9.398) 68.707,9.423 69.012,9.728 v1(75.895,9.728)